# Allegro board 1155000-zp-dic_pda_8ch_board_v002.brd
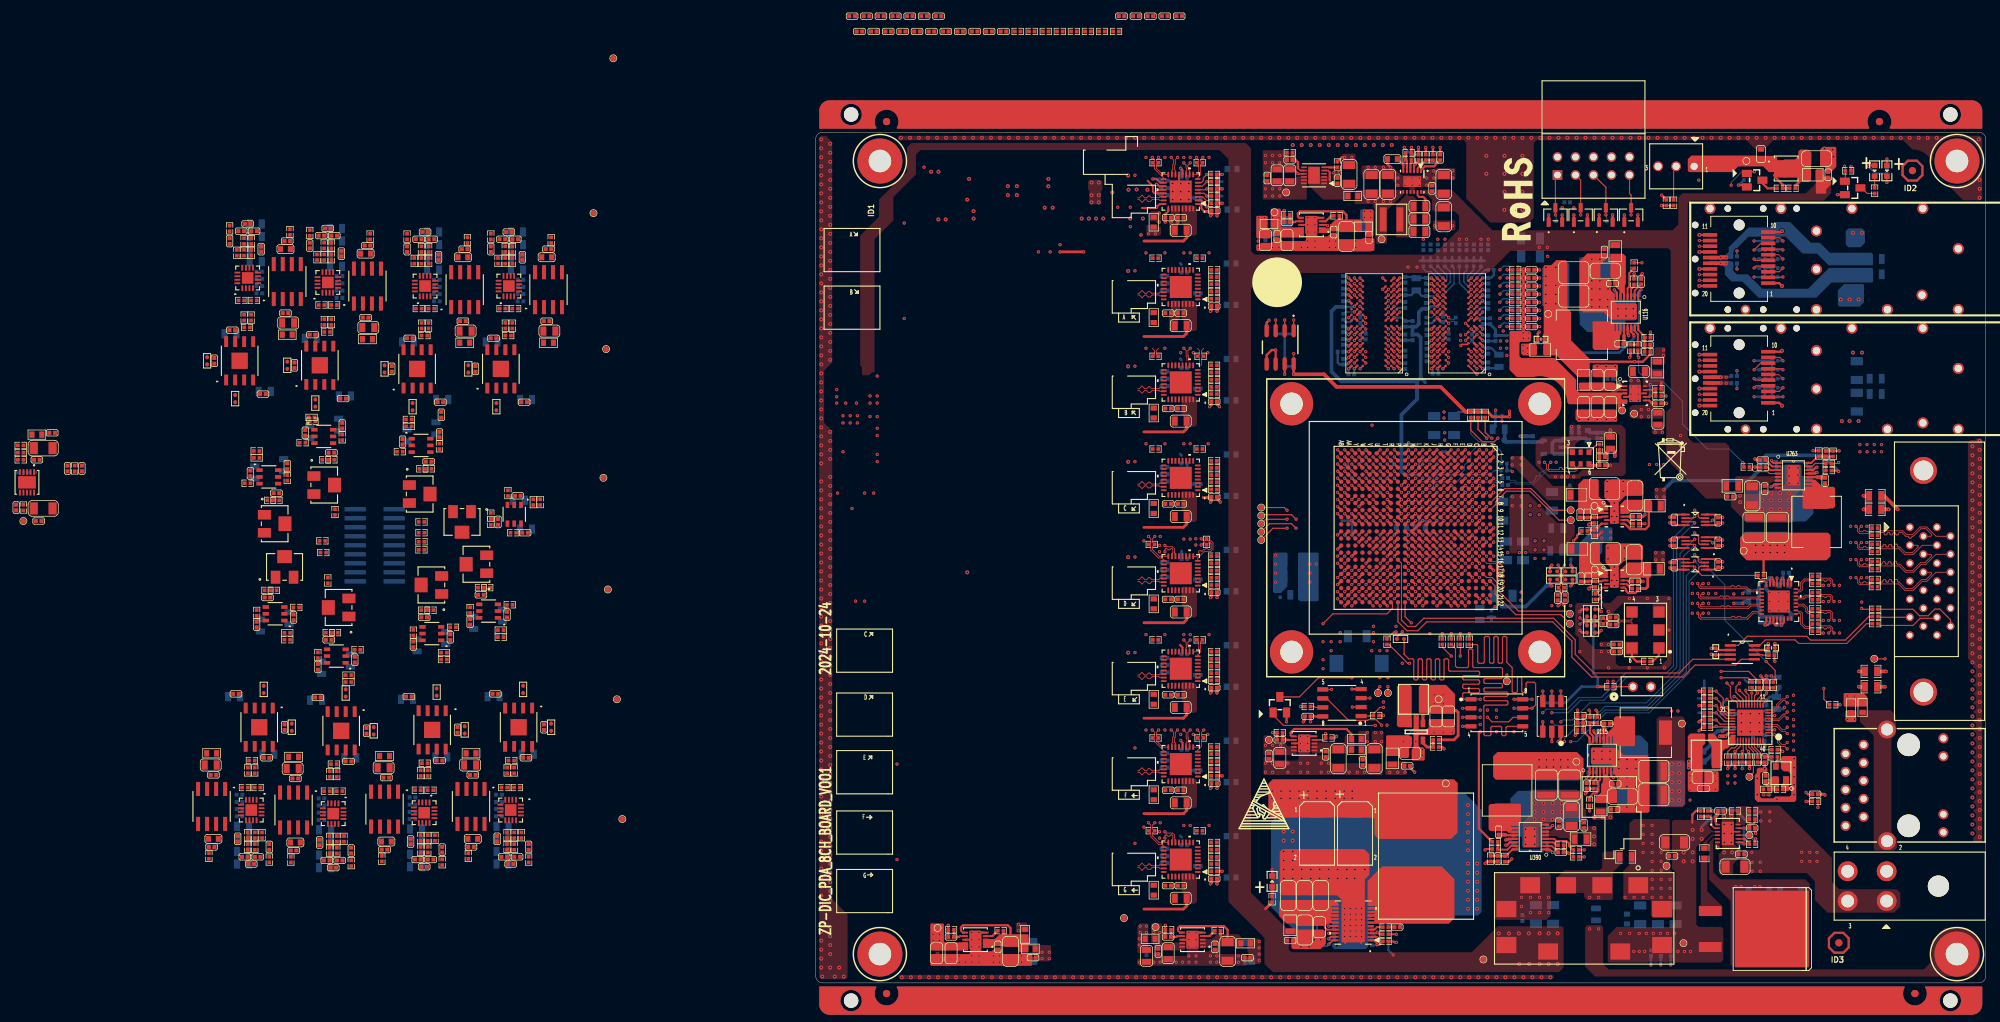
[diagram p0: board, top side]
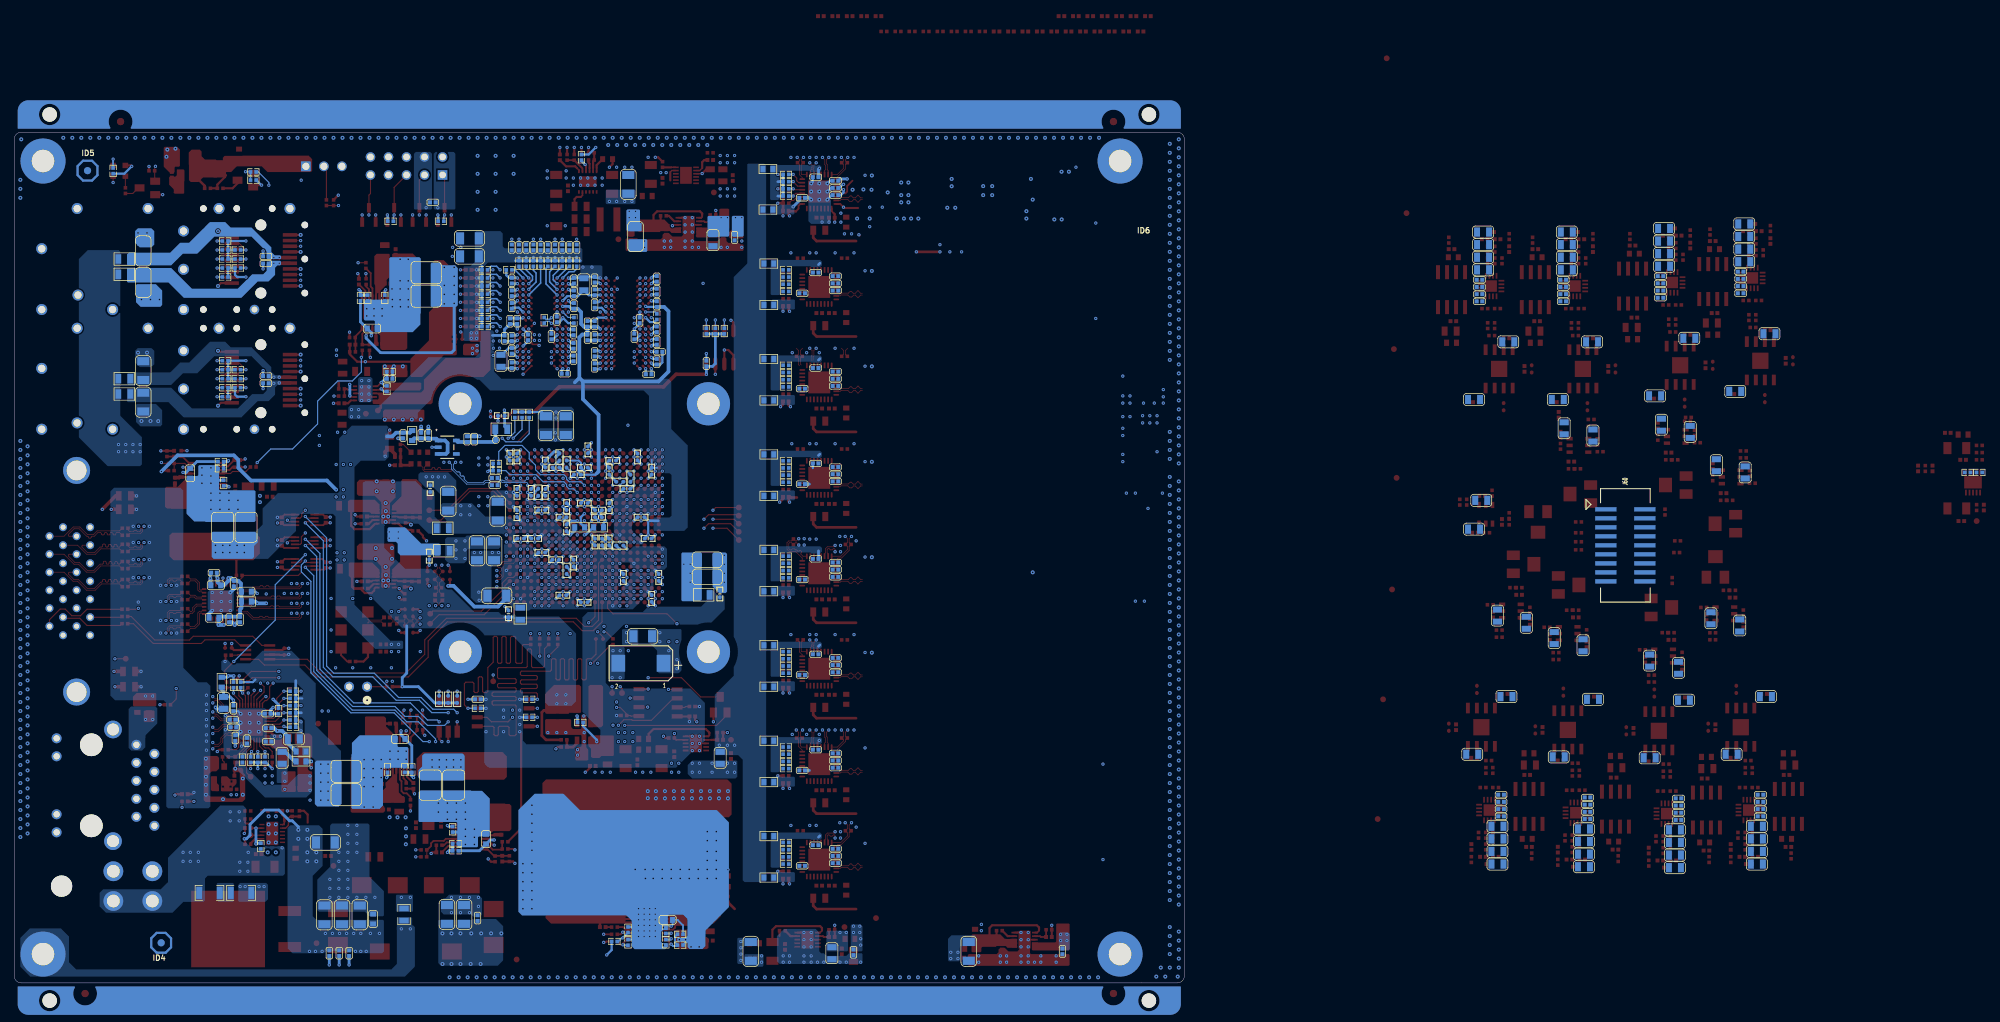
[diagram p1: board, bottom side, seen from below]

Outline 165 x 120 mm; copper layers: TOP, GND02, ART03, GND04, POWR05, ART06, GND07, ART08, GND09, BOTTOM. Coordinates in mm from the lower left corner of the outline.
Outline path: 0,119 0,1 arc(0.29,0.29) 1,0 6,0 arc(6,0) 6,0 164,0 arc(164.71,0.29) 165,1 165,119 arc(164.71,119.71) 164,120 1,120 arc(0.29,119.71) 0,119

## Design rules (mm)
constraint set DEFAULT: min track width 0.152
net group 12V: nets VCC12V_IN VCC12V_IN_CON
net group ADC1_VCM_OUT: nets ADC1_VCM_OUT N23473539
net group ADC2_VCM_OUT: nets ADC2_VCM_OUT N23503698
net group ADC3_VCM_OUT: nets ADC3_VCM_OUT N23504965
net group ADC4_VCM_OUT: nets ADC4_VCM_OUT N23507512
net group ADC5_VCM_OUT: nets ADC5_VCM_OUT N23508778
net group ADC6_VCM_OUT: nets ADC6_VCM_OUT N23510045
net group ADC7_VCM_OUT: nets ADC7_VCM_OUT N23506234
net group ADC8_VCM_OUT: nets ADC8_VCM_OUT N23511313
net group FPGA_MASTER_CLOCK: nets FPGA_MASTER_CLOCK_N FPGA_MASTER_CLOCK_P
net group FPGA_MASTER_CLOCK_C_: nets FPGA_MASTER_CLOCK_C_N FPGA_MASTER_CLOCK_C_P
net group FPGA_SFP1_RX: nets FPGA_SFP1_RX_N FPGA_SFP1_RX_P
net group FPGA_SFP1_TX: nets FPGA_SFP1_TX_N FPGA_SFP1_TX_P
net group FPGA_SFP2_RX: nets FPGA_SFP2_RX_N FPGA_SFP2_RX_P
net group FPGA_SFP2_TX: nets FPGA_SFP2_TX_N FPGA_SFP2_TX_P
net group MGTAVCC_PG: nets MGTAVCC_PG N22415812
net group MGTAVTT_PG: nets MGTAVTT_PG N22401694
net group N1143746: nets N1143734 N1143746
net group N22408855: nets N22390089 N22408855
net group N23628828: nets N23610539 N23628828
net group N23641588: nets N23641442 N23641588
net group N23642924: nets N23642778 N23642924
net group N23644260: nets N23644157 N23644260
net group N23646932: nets N23646786 N23646932
net group N23648269: nets N23648123 N23648269
net group N23649605: nets N23649459 N23649605
net group N23650942: nets N23650796 N23650942
net group N23657743: nets N23657743 N23657801
net group N23664417: nets N16721374 N23664417
net group PDA_CH5: nets N23646777 PDA_CH5
net group PDA_CH6: nets N23641433 PDA_CH6
net group PDA_CH7: nets N23642769 PDA_CH7
net group PDA_CH8: nets N23644105 PDA_CH8
net group PDA_CH9: nets N23610499 PDA_CH9
net group PDA_CH10: nets N23648114 PDA_CH10
net group PDA_CH11: nets N23649450 PDA_CH11
net group PDA_CH12: nets N23650787 PDA_CH12
net group POWER: nets VCC12V_FAN XADC_AGND
net group QSPI_CS_B: nets QSPI_CS_B QSPI_CS_B_R
net group RF_SYNC_N: nets N22519885 RF_SYNC_N
net group RF_SYNC_P: nets N22519875 RF_SYNC_P
net group SFP_MGT_REFCLK: nets SFP_MGT_REFCLK_N SFP_MGT_REFCLK_P
net group SFP_MGT_REFCLK_C: nets SFP_MGT_REFCLK_C_N SFP_MGT_REFCLK_C_P
net group SFPGA_25M_OSC_ETH: nets N1143708 SFPGA_25M_OSC_ETH
net group SFPGA_ETH_RESET_B: nets N21907473 SFPGA_ETH_RESET_B
net group SYS_CLK_CON_N: nets SYS_CLK_CON_N TIMING_SYNC_REFCLK_N
net group SYS_CLK_CON_P: nets SYS_CLK_CON_P TIMING_SYNC_REFCLK_P
net group TIMING_SPI_CSN_N: nets N22519853 TIMING_SPI_CSN_N
net group TIMING_SPI_CSN_P: nets N22519847 TIMING_SPI_CSN_P
net group TIMING_SPI_MISO_N: nets N22520025 TIMING_SPI_MISO_N
net group TIMING_SPI_MISO_P: nets N22520015 TIMING_SPI_MISO_P
net group TIMING_SPI_MOSI_N: nets N22519965 TIMING_SPI_MOSI_N
net group TIMING_SPI_MOSI_P: nets N22519963 TIMING_SPI_MOSI_P
net group VCC5V5_PG: nets N23714381 VCC5V5_PG
net group VCCINT_FPGA_PG: nets N22251669 VCCINT_FPGA_PG
net group 3W: nets CLK_SEL EEPROM_SCK FPGA_RESET FPGA_TCK TMP75_IIC_SCL
net group ADC1_IN+: nets ADC1_IN+ N23642858 N23642898
net group ADC1_IN-: nets ADC1_IN- N23642854 N23642895
net group ADC1_VREF: nets N23486224
net group ADC2_IN+: nets ADC2_IN+ N23618773 N23624272
net group ADC2_IN-: nets ADC2_IN- N23618750 N23624222
net group ADC2_VREF: nets N23486610
net group ADC3_IN+: nets ADC3_IN+ N23646866 N23646906
net group ADC3_IN-: nets ADC3_IN- N23646862 N23646903
net group ADC3_VREF: nets N23486953
net group ADC4_VREF: nets N23487308
net group ADC5_IN+: nets ADC5_IN+ N23641522 N23641562
net group ADC5_IN-: nets ADC5_IN- N23641518 N23641559
net group ADC5_VREF: nets N23492870
net group ADC6_IN+: nets ADC6_IN+ N23649539 N23649579
net group ADC6_IN-: nets ADC6_IN- N23649535 N23649576
net group ADC6_VREF: nets N23493026
net group ADC7_IN+: nets ADC7_IN+ N23644194 N23644234
net group ADC7_IN-: nets ADC7_IN- N23644190 N23644231
net group ADC7_VREF: nets N23493182
net group ADC8_IN+: nets ADC8_IN+ N23648203 N23648243 N23650876 N23650916
net group ADC8_IN-: nets ADC8_IN- N23648199 N23648240 N23650872 N23650913
net group ADC8_VREF: nets N23493338
net group N21907526: nets N21907487 N21907526 N21907530
net group RF_FPS_TRIGGER_N_C: nets N23531952
net group RF_FPS_TRIGGER_P_C: nets N23531940
net group RF_MOD_IN_FIXED_N_C: nets N23532007
net group RF_MOD_IN_FIXED_P_C: nets N23531995
net group RF_MOD_IN_VARIABLE_N_C: nets N23532062
net group RF_MOD_IN_VARIABLE_P_C: nets N23532050
net group SFPGA_RGMII_MDC: nets SFPGA_RGMII_MDC
net group SFPGA_RGMII_MDIO: nets SFPGA_RGMII_MDIO
net group TIMING_SPI_CLK_N_C: nets N23531871
net group TIMING_SPI_CLK_P_C: nets N22968119
net group VCC1V5_PG: nets N16718397 N22256857 VCC1V5_PG
net group VCC1V8_PG: nets N16716359 N22252096 VCC1V8_PG
net group VCC3V3_PG: nets N22257272 N23591059 VCC3V3_PG
net group VCC-3V_PG: nets N23716769 N23798561 VCC-3V_PG

## Placement (name value [footprint] x y rotation side)
C2  0.1UF  [C0402_BGA]  87.1 64.19 90 bottom
C13  0.1UF  [C0402]  91.79 103.76 90 bottom
C14  0.1UF  [C0402]  94.84 103.76 90 bottom
C15  0.1UF  [C0402]  88.74 103.76 90 bottom
C22  0.1UF  [C0402]  129.51 101.47 0 bottom
C23  0.1UF  [C0402]  129.51 102.49 0 bottom
C97  0.1UF  [C0402]  118.84 81.76 0 top
C114  22UF  [C1206]  146.8 103.26 90 bottom
C115  22UF  [C1206]  146.8 98.81 270 bottom
C123  47UF  [C1206]  97.33 60.96 270 bottom
C143  47UF  [C1206]  67.28 59.69 180 bottom
C144  4.7UF  [C0402_BGA]  94.11 69.2 270 bottom
C146  4.7UF  [C0402_BGA]  95.1 74.16 90 bottom
C153  4.7UF  [C0402_BGA]  87.6 65.69 0 bottom
C155  4.7UF  [C0402_BGA]  82.11 62.19 90 bottom
C161  100UF  [C1206]  90.01 78.61 90 bottom
C162  100UF  [C1206]  87.22 78.61 90 bottom
C165  0.47UF  [C0402_BGA]  82.61 66.69 180 bottom
C166  0.47UF  [C0402_BGA]  83.11 62.19 90 bottom
C187  0.01UF  [C0402]  84.17 91.06 90 bottom
C224  4.7UF  [C0805]  116.08 86.26 180 top
C250  10UF  [C0805]  84.68 98.55 90 bottom
C271  1000PF  [C0402]  112.06 85.22 180 bottom
C340  10UF  [C0805]  110.2 85.06 90 top
C341  10UF  [C0805]  112.11 85.06 90 top
C342  10UF  [C0805]  108.3 81.25 270 top
C343  10UF  [C0805]  110.21 81.25 270 top
C344  10UF  [C0805]  112.11 81.25 270 top
C400  100UF  [C1206]  67.28 57.28 180 bottom
C401  4.7UF  [C0402_BGA]  84.64 53.69 0 bottom
C403  0.47UF  [C0402_BGA]  86.1 59.22 90 bottom
C407  100UF  [C1206]  96.82 66.55 90 bottom
C408  4.7UF  [C0402_BGA]  75.1 54.23 270 bottom
C409  4.7UF  [C0402_BGA]  79.1 57.19 90 bottom
C410  0.47UF  [C0402_BGA]  74.11 57.2 270 bottom
C414  100UF  [C1206]  96.95 54.61 0 bottom
C415  4.7UF  [C0402_BGA]  93.57 62.69 180 bottom
C417  0.47UF  [C0402_BGA]  88.64 59.69 0 bottom
C418  4.7UF  [C0402_BGA]  81.11 62.2 270 bottom
C419  4.7UF  [C0402_BGA]  81.1 67.16 90 bottom
C420  4.7UF  [C0402_BGA]  82.61 65.69 180 bottom
C425  47UF  [C1206]  99.74 60.96 270 bottom
C426  0.1UF  [C0402_BGA]  92.11 69.2 270 bottom
C427  0.1UF  [C0402_BGA]  90.11 69.2 270 bottom
C430  0.1UF  [C0402_BGA]  90.11 73.19 270 bottom
C431  0.1UF  [C0402_BGA]  94.1 74.19 90 bottom
C434  0.47UF  [C0402_BGA]  90.6 60.71 180 bottom
C437  100UF  [C1206]  103.81 67.95 90 bottom
C438  4.7UF  [C0402_BGA]  90.6 66.7 0 bottom
C440  0.47UF  [C0402_BGA]  94.1 66.19 90 bottom
C441  0.47UF  [C0402_BGA]  91.6 62.7 0 bottom
C462  0.1UF  [C0402_BGA]  75.61 62.69 180 bottom
C463  0.1UF  [C0402_BGA]  76.61 65.7 0 bottom
C491  0.1UF  [C0402_BGA]  85.6 71.69 0 bottom
C492  0.1UF  [C0402_BGA]  75.11 72.19 270 bottom
C493  100UF  [C1206]  76.37 48.9 0 bottom
C494  4.7UF  [C0402_BGA]  84.61 67.69 180 bottom
C495  4.7UF  [C0402_BGA]  87.1 67.19 90 bottom
C505  0.1UF  [C0402]  105.96 110.11 180 bottom
C506  4.7UF  [C0402]  83.15 92.96 90 bottom
C507  47nF  [C0402]  74.39 95.76 90 bottom
C508  4.7UF  [C0402_BGA]  80.61 73.7 0 bottom
C510  0.47UF  [C0402_BGA]  78.6 69.7 0 bottom
C511  0.47UF  [C0402_BGA]  77.11 74.19 90 bottom
C514  4.7UF  [C0402_BGA]  81.1 72.19 90 bottom
C515  0.47UF  [C0402_BGA]  84.1 75.19 90 bottom
C516  0.47UF  [C0402_BGA]  84.6 72.69 180 bottom
C520  0.01UF  [C0402]  84.17 92.96 90 bottom
C521  47UF  [C1206]  100.8 102.49 0 bottom
C522  4.7UF  [C0402]  100.93 92.58 0 top
C523  4.7UF  [C0402]  87.72 103.76 90 bottom
C524  0.1UF  [C0402]  86.71 103.76 90 bottom
C525  0.1UF  [C0402]  100.93 100.58 0 top
C526  0.1UF  [C0402]  93.82 103.76 90 bottom
C527  0.1UF  [C0402]  92.8 103.76 90 bottom
C528  47nF  [C0402]  76.8 93.47 270 bottom
C529  47nF  [C0402]  74.01 89.03 180 bottom
C530  47nF  [C0402]  75.53 85.85 180 bottom
C531  47nF  [C0402]  83.15 95.63 90 bottom
C532  47nF  [C0402]  74.39 92.2 270 bottom
C533  47nF  [C0402]  74.39 97.54 90 bottom
C534  47nF  [C0402]  77.56 91.19 90 bottom
C535  47nF  [C0402]  74.39 87.63 270 bottom
C536  47nF  [C0402]  74.39 90.42 90 bottom
C538  47nF  [C0402]  74.39 99.31 90 bottom
C539  47nF  [C0402]  83.15 87 90 bottom
C540  47nF  [C0402]  83.15 88.77 90 bottom
C541  47nF  [C0402]  83.15 91.06 90 bottom
C542  47nF  [C0402]  83.15 97.41 90 bottom
C543  47nF  [C0402]  83.15 99.19 90 bottom
C544  0.01UF  [C0402]  95.85 90.93 90 bottom
C545  0.01UF  [C0402]  95.09 93.35 90 bottom
C546  0.1UF  [C0402]  100.93 99.44 0 top
C547  0.1UF  [C0402]  89.76 103.76 90 bottom
C548  0.1UF  [C0402]  90.77 103.76 90 bottom
C549  47UF  [C1206]  100.8 105.03 0 bottom
C550  4.7UF  [C0402]  100.93 98.3 0 top
C551  4.7UF  [C0402]  100.93 97.16 0 top
C552  0.1UF  [C0402]  85.69 103.76 90 bottom
C553  0.1UF  [C0402]  100.93 93.73 0 top
C554  0.1UF  [C0402]  100.93 94.87 0 top
C555  0.1UF  [C0402]  100.93 96.01 0 top
C556  47nF  [C0402]  88.49 93.6 270 bottom
C557  47nF  [C0402]  89.25 91.19 90 bottom
C558  47nF  [C0402]  87.4 85.93 180 bottom
C559  47nF  [C0402]  86.13 88.09 270 bottom
C560  47nF  [C0402]  86.13 89.86 90 bottom
C561  47nF  [C0402]  86.13 91.77 270 bottom
C562  47nF  [C0402]  94.84 97.28 90 bottom
C563  4.7UF  [C0402]  86.07 95.5 90 bottom
C564  47nF  [C0402]  94.84 99.06 90 bottom
C565  47nF  [C0402]  94.84 95.5 90 bottom
C566  10UF  [C0805]  96.36 87.76 90 bottom
C567  47nF  [C0402]  92.55 91.06 270 bottom
C568  47nF  [C0402]  94.84 87.12 90 bottom
C569  47nF  [C0402]  94.84 89.15 90 bottom
C570  47nF  [C0402]  86.07 97.28 90 bottom
C571  47nF  [C0402]  86.07 99.06 90 bottom
C572  47nF  [C0402]  94.84 90.93 90 bottom
C573  47nF  [C0402]  94.07 93.35 90 bottom
C640  4.7UF  [C0805]  118.77 79.58 270 top
C641  0.1UF  [C0402]  99.61 40.01 0 bottom
C642  0.01UF  [C0402]  67.4 87.38 90 bottom
C839  0.1UF  [C0402]  133.95 28.83 90 top
C841  10UF  [C0805]  135.47 39.5 270 bottom
C842  0.1UF  [C0402]  133.82 34.54 90 bottom
C846  10UF  [C0805]  125.57 34.42 180 bottom
C847  0.1UF  [C0402]  129.13 35.94 0 bottom
C849  0.1UF  [C0402]  129.13 34.04 0 bottom
C850  10UF  [C0805]  127.22 31.75 270 bottom
C851  0.1UF  [C0402]  134.08 38.74 270 bottom
C852  0.1UF  [C0402]  132.17 34.16 90 bottom
C853  0.1UF  [C0402]  134.21 37.13 180 bottom
C854  0.1UF  [C0402]  134.08 36.07 180 bottom
C855  0.1UF  [C0402]  129.25 37.97 0 bottom
C859  10UF  [C0805]  125.06 28.96 0 top
C864  0.1UF  [C0402]  125.19 27.43 0 top
C865  100PF  [C0402]  133.82 31.5 270 top
C930  0.1UF  [C0402]  112.95 46.74 0 top
C939  0.1UF  [C0402]  104.63 54.36 90 top
C940  0.1UF  [C0402]  105.65 54.36 90 top
C989  0.01UF  [C0402]  97.24 71.23 0 bottom
C990  0.01UF  [C0402]  97.24 70.21 0 bottom
C1134  10UF  [C1206]  121.26 9.6 90 bottom
C1135  0.1UF  [C0402]  99.66 9.14 270 bottom
C1136  0.1UF  [C0402]  117.78 4.19 90 bottom
C1137  10UF  [C1206]  103.98 9.65 90 bottom
C1138  10UF  [C1206]  101.57 9.65 90 bottom
C1139  10UF  [C1206]  118.77 9.6 90 bottom
C1140  1000PF  [C0402]  120.57 4.19 270 bottom
C1142  10UF  [C1206]  116.27 9.6 90 bottom
C1144  1UF  [C0603]  114.39 9.02 90 bottom
C1145  0.1UF  [C0402]  119.17 4.19 90 bottom
C1146  0.1UF_DNP  [C0402]  132.05 21.84 180 top
C1147  10UF  [C1206]  129.63 16.38 180 top
C1148  0.1UF  [C0402]  130.52 18.16 0 top
C1149  10UF  [C1206]  121.12 19.81 180 bottom
C1150  10UF  [C1206]  121.12 19.81 180 top
C1151  47nF  [C0402]  127.6 24.26 0 top
C1152  0.1UF  [C0402]  120.74 17.91 0 top
C1153  22UF  [C1206]  71.21 12.32 90 top
C1154  22UF  [C1206]  66.64 12.32 90 top
C1155  22UF  [C1206]  68.93 12.32 90 top
C1156  22UF  [C1206]  68.98 7.47 270 top
C1157  4.7UF  [C0805]  71.04 7.87 270 top
C1158  1UF  [C0603]  72.86 8.89 0 bottom
C1159  0.1UF  [C0402]  82.01 7.87 180 top
C1172  47UF  [C1210]  118.2 29.84 180 top
C1173  47UF  [C1210]  118.2 26.54 180 top
C1174  47UF  [C1210]  118.2 26.55 180 bottom
C1175  1UF  [C0603]  110.58 34.42 0 bottom
C1176  0.01UF  [C0402]  108.71 27.8 270 top
C1177  0.1UF  [C0402]  112.74 28.07 180 top
C1178  22UF  [C1206]  113.76 26.29 0 top
C1179  0.1UF  [C0402]  111.6 36.58 180 top
C1180  4.7PF  [C0402]  107.82 36.69 180 top
C1181  47UF  [C1210]  118.2 29.85 180 bottom
C1182  0.1UF  [C0402]  66.9 5.97 180 top
C1183  0.1UF  [C0402]  112.57 24.46 180 top
C1184  0.1UF  [C0402_BGA]  65.5 54.86 90 bottom
C1185  0.1UF  [C0402_BGA]  106.48 60.2 270 bottom
C1186  0.1UF  [C0402_BGA]  102.28 90.81 180 top
C1187  0.1UF  [C0402]  111.22 103.1 90 top
C1188  0.1UF  [C0402]  112.36 98.65 0 top
C1189  1UF  [C0603]  114.52 92.3 180 bottom
C1190  0.01UF  [C0402]  116.4 98.92 90 top
C1191  0.1UF  [C0402]  113.5 90.14 0 top
C1192  4.7PF  [C0402]  117.28 90.03 0 top
C1193  47UF  [C1210]  106.91 96.87 0 bottom
C1194  47UF  [C1210]  106.91 96.88 0 top
C1195  47UF  [C1210]  106.91 100.17 0 bottom
C1196  47UF  [C1210]  106.91 100.18 0 top
C1197  22UF  [C1206]  111.35 100.43 180 top
C1198  47UF  [C1210]  135.61 64.27 90 bottom
C1199  47UF  [C1210]  135.6 64.27 90 top
C1200  47UF  [C1210]  132.31 64.27 90 bottom
C1201  47UF  [C1210]  132.3 64.27 90 top
C1202  1UF  [C0603]  140.18 71.89 270 bottom
C1203  0.01UF  [C0402]  133.56 73.76 180 top
C1204  0.1UF  [C0402]  133.83 69.73 90 top
C1205  22UF  [C1206]  132.05 68.71 270 top
C1206  0.1UF  [C0402]  142.34 70.87 90 top
C1207  4.7PF  [C0402]  142.45 74.65 90 top
C1208  0.1UF  [C0402]  115.54 56.64 180 top
C1209  0.1UF  [C0402]  128.95 68.58 180 top
C1215  22UF  [C1206]  115.41 59.69 90 top
C1216  0.01UF  [C0402]  107.92 57.02 90 top
C1230  22UF  [C1206]  115.54 68.71 90 top
C1231  0.1UF  [C0402]  115.66 65.79 180 top
C1232  47UF  [C1210]  111.35 60.58 0 top
C1233  47UF  [C1210]  111.23 69.73 0 top
C1234  0.01UF  [C0402]  107.79 66.04 90 top
C1256  0.1UF  [C0402]  83.41 30.61 180 top
C1257  10UF  [C0805]  83.79 32.39 0 top
C1258  10UF  [C0805]  87.47 37.59 270 top
C1259  10UF  [C0805]  89.25 37.59 270 top
C1277  0.1UF  [C0402]  78.02 105.16 90 top
C1281  10UF  [C0805]  66.47 104.78 270 top
C1282  0.1UF  [C0402]  65.07 105.28 90 top
C1298  0.1UF  [C0402]  77.14 31.12 90 top
C1300  10UF  [C0805]  65.45 31.75 270 top
C1301  0.1UF  [C0402]  63.93 32 90 top
C1338  0.1UF  [C0402]  60.88 3.56 0 top
C1339  10UF  [C1206]  58.09 4.45 270 top
C1340  0.47UF  [C0402]  49.7 6.48 180 top
C1341  10UF  [C0805]  49.7 4.19 270 top
C1347  1UF_DNP  [C0603]  133.29 116.92 90 top
C1348  0.1UF_DNP  [C0402]  142.77 114 270 top
C1349  10UF_DNP  [C1206]  141.14 116.28 0 top
C1491  0.1UF  [C0402_BGA]  134.79 47.24 0 top
C1492  0.1UF  [C0402_BGA]  126.92 46.74 90 top
C2084  22UF  [C1206]  88.57 108.08 270 top
C2085  22UF  [C1206]  88.57 112.65 90 top
C2086  2.2UF  [C0402]  86.91 112.08 270 top
C2087  1UF  [C0603]  81.33 116.21 180 top
C2088  0.22UF  [C0402]  88.06 116.46 270 top
C2089  10UF  [C0805]  85.14 109.54 180 top
C2090  10UF  [C0805]  85.14 107.76 180 top
C2091  10UF  [C0805]  85.14 105.98 180 top
C2092  22UF  [C1206]  78.41 112.65 90 top
C2093  22UF  [C1206]  78.41 112.65 90 bottom
C2094  22UF  [C1206]  80.69 112.65 90 top
C2256  0.1UF  [C0402_BGA]  106.34 69.72 90 bottom
C2413  0.1UF  [C0402_BGA]  95.3 52.07 90 bottom
C2450  0.1UF  [C0402]  110.92 73.03 180 top
C2467  1UF  [C0603]  136.57 56.08 0 bottom
C2468  1UF  [C0603]  136.83 51.51 0 bottom
C2469  0.1UF  [C0402]  134.03 56.34 90 bottom
C2470  0.1UF  [C0402]  134.69 51.26 90 bottom
C2471  1UF  [C0603]  132.25 55.19 180 bottom
C2472  0.1UF  [C0402]  136.83 57.86 180 bottom
C2473  0.1UF  [C0402]  133.14 51.26 90 bottom
C2474  0.1UF  [C0402]  73.07 105.92 90 top
C2476  0.1UF  [C0402]  71.93 32.26 90 top
C2477  4.7UF  [C0402]  65.45 34.29 180 top
C2479  10UF  [C1206]  61.13 4.45 270 bottom
C2480  0.1UF  [C0402]  56.31 5.08 90 top
C2481  0.1UF  [C0402]  48.31 4.45 90 top
C2482  0.1UF  [C0402_BGA]  88.6 72.69 0 bottom
C2483  4.7UF  [C0402_BGA]  96.31 80.01 0 bottom
C2484  10UF  [C0805]  112.06 76.2 90 top
C2485  0.1UF  [C0402]  110.16 77.22 90 bottom
C2486  4.7UF  [C0402]  106.6 77.22 90 bottom
C2487  0.1UF  [C0402]  107.62 77.22 270 bottom
C2488  4.7UF  [C0402]  101.14 76.71 90 bottom
C2489  0.1UF  [C0402]  100.12 76.71 270 bottom
C2490  22UF  [C1206]  146.8 86.37 90 bottom
C2491  0.1UF  [C0402]  129.51 85.61 0 bottom
C2492  22UF  [C1206]  146.8 81.93 270 bottom
C2493  0.1UF  [C0402]  129.51 84.59 0 bottom
C2494  0.1UF  [C0402]  69.39 37.59 180 top
C2495  0.47UF  [C0402_BGA]  87.64 54.69 0 bottom
C2971  0.1UF  [C0402]  -48.34 29.34 0 top
C2972  1UF  [C0603]  -48.34 20.32 0 top
C2973  0.1UF  [C0402]  -48.59 19.18 180 top
C2974  10UF  [C0805]  -48.72 30.73 180 top
C2975  10UF  [C0805]  -63.07 92.46 0 top
C2976  0.1UF  [C0402]  -63.45 93.85 180 top
C2977  1UF  [C0603]  -63.45 102.87 180 top
C2978  0.1UF  [C0402]  -63.2 104.01 0 top
C2979  10UF  [C0805]  -37.55 91.95 0 top
C2980  0.1UF  [C0402]  -37.93 93.35 180 top
C2981  1UF  [C0603]  -37.93 102.36 180 top
C2982  0.1UF  [C0402]  -37.67 103.51 0 top
C2983  10UF  [C0805]  -74.38 93.09 0 top
C2984  0.1UF  [C0402]  -74.76 94.49 180 top
C2985  1UF  [C0603]  -74.76 103.51 180 top
C2986  0.1UF  [C0402]  -74.5 104.65 0 top
C2989  10UF  [C0805]  -49.36 91.95 0 top
C2990  0.1UF  [C0402]  -49.74 93.35 180 top
C2991  1UF  [C0603]  -49.74 102.36 180 top
C2992  0.1UF  [C0402]  -49.48 103.51 0 top
C2993  10UF  [C0805]  -85.3 30.73 180 top
C2994  0.1UF  [C0402]  -84.92 29.34 0 top
C2995  1UF  [C0603]  -84.92 20.32 0 top
C2996  0.1UF  [C0402]  -85.17 19.18 180 top
C2997  10UF  [C0805]  -60.91 30.35 180 top
C2998  0.1UF  [C0402]  -60.53 28.96 0 top
C2999  1UF  [C0603]  -60.53 19.94 0 top
C3000  0.1UF  [C0402]  -60.79 18.8 180 top
C3001  10UF  [C0805]  -73.74 30.23 180 top
C3002  0.1UF  [C0402]  -73.36 28.83 0 top
C3003  1UF  [C0603]  -73.36 19.81 0 top
C3004  0.1UF  [C0402]  -73.61 18.67 180 top
C3009  0.1UF  [C0402]  112.44 51.56 180 top
C3010  0.1UF  [C0402]  112.44 50.55 180 top
C3011  0.1UF  [C0402]  140.93 26.62 0 top
C3012  0.1UF  [C0402]  134.08 42.04 90 top
C3015  0.47UF  [C0402]  66.47 107.32 180 top
C3016  10UF  [C0805]  66.47 104.78 270 bottom
C3017  10UF  [C0805]  65.45 31.75 270 bottom
C3021  10UF  [C0805]  49.7 4.19 270 bottom
C3036  0.1UF  [C0402]  127.25 62.07 90 top
C3037  0.1UF  [C0402]  121.08 62.07 90 top
C3038  0.1UF  [C0402]  121.08 58.93 90 top
C3039  0.1UF  [C0402]  127.25 59.01 90 top
C3040  0.1UF  [C0402]  121.08 65.31 270 top
C3041  0.1UF  [C0402]  127.25 65.28 270 top
C3050  10UF  [C1206]  77.39 105.28 270 bottom
C3051  10UF  [C1206]  74.85 105.28 270 top
C3052  10UF  [C1206]  78.79 31.62 270 top
C3053  10UF  [C1206]  73.71 31.62 270 top
C3068  0.1UF  [C0402]  -105.49 72.57 90 top
C3069  0.1UF  [C0402]  -103.46 72.57 270 top
C3079  0.1UF  [C0402]  -107.65 77.6 180 top
C3080  10UF  [C1206]  -108.92 75.44 0 top
C3081  0.1UF  [C0402]  -109.81 73.79 180 top
C3084  0.1UF  [C0402]  -109.55 65.15 180 top
C3086  10UF  [C1206]  -108.92 66.93 0 top
C3087  0.1UF  [C0402]  -112.73 67.06 90 top
C3088  2.7PF  [C0402]  -38.31 36.07 270 top
C3089  470PF  [C0402]  -42.1 17.78 180 top
C3090  1.8nF  [C0402]  -52.79 80.14 90 top
C3091  470PF_DNP  [C0402]  -43.01 16.76 180 top
C3092  470PF  [C0402]  -43.91 17.78 180 top
C3093  1.3PF  [C0402]  -47.2 54.74 0 top
C3094  0.1UF  [C0402]  -44.91 20.32 270 top
C3095  10UF  [C0805]  -45.42 40.39 180 bottom
C3096  0.1UF  [C0402]  -45.17 40.77 180 top
C3097  0.1UF  [C0402]  -40.85 31.75 0 top
C3098  10UF  [C0805]  -40.59 32.26 0 bottom
C3101  0.1UF  [C0402]  -48.72 50.93 270 top
C3102  10UF  [C0805]  -48.21 50.8 270 bottom
C3103  10UF  [C0805]  -44.15 16.76 0 bottom
C3104  0.1UF  [C0402]  -44.66 26.54 0 bottom
C3105  10UF  [C0805]  -44.15 22.1 0 bottom
C3106  0.1UF  [C0402]  -44.66 25.53 0 bottom
C3107  10UF  [C0805]  -44.15 20.32 0 bottom
C3108  0.1UF  [C0402]  -44.66 23.5 0 bottom
C3109  10UF  [C0805]  -44.15 18.54 0 bottom
C3110  0.1UF  [C0402]  -44.66 24.51 0 bottom
C3111  2.7PF  [C0402]  -73.49 87.12 90 top
C3112  470PF  [C0402]  -69.7 105.41 0 top